# KiCad board Europe-ergo.kicad_pcb
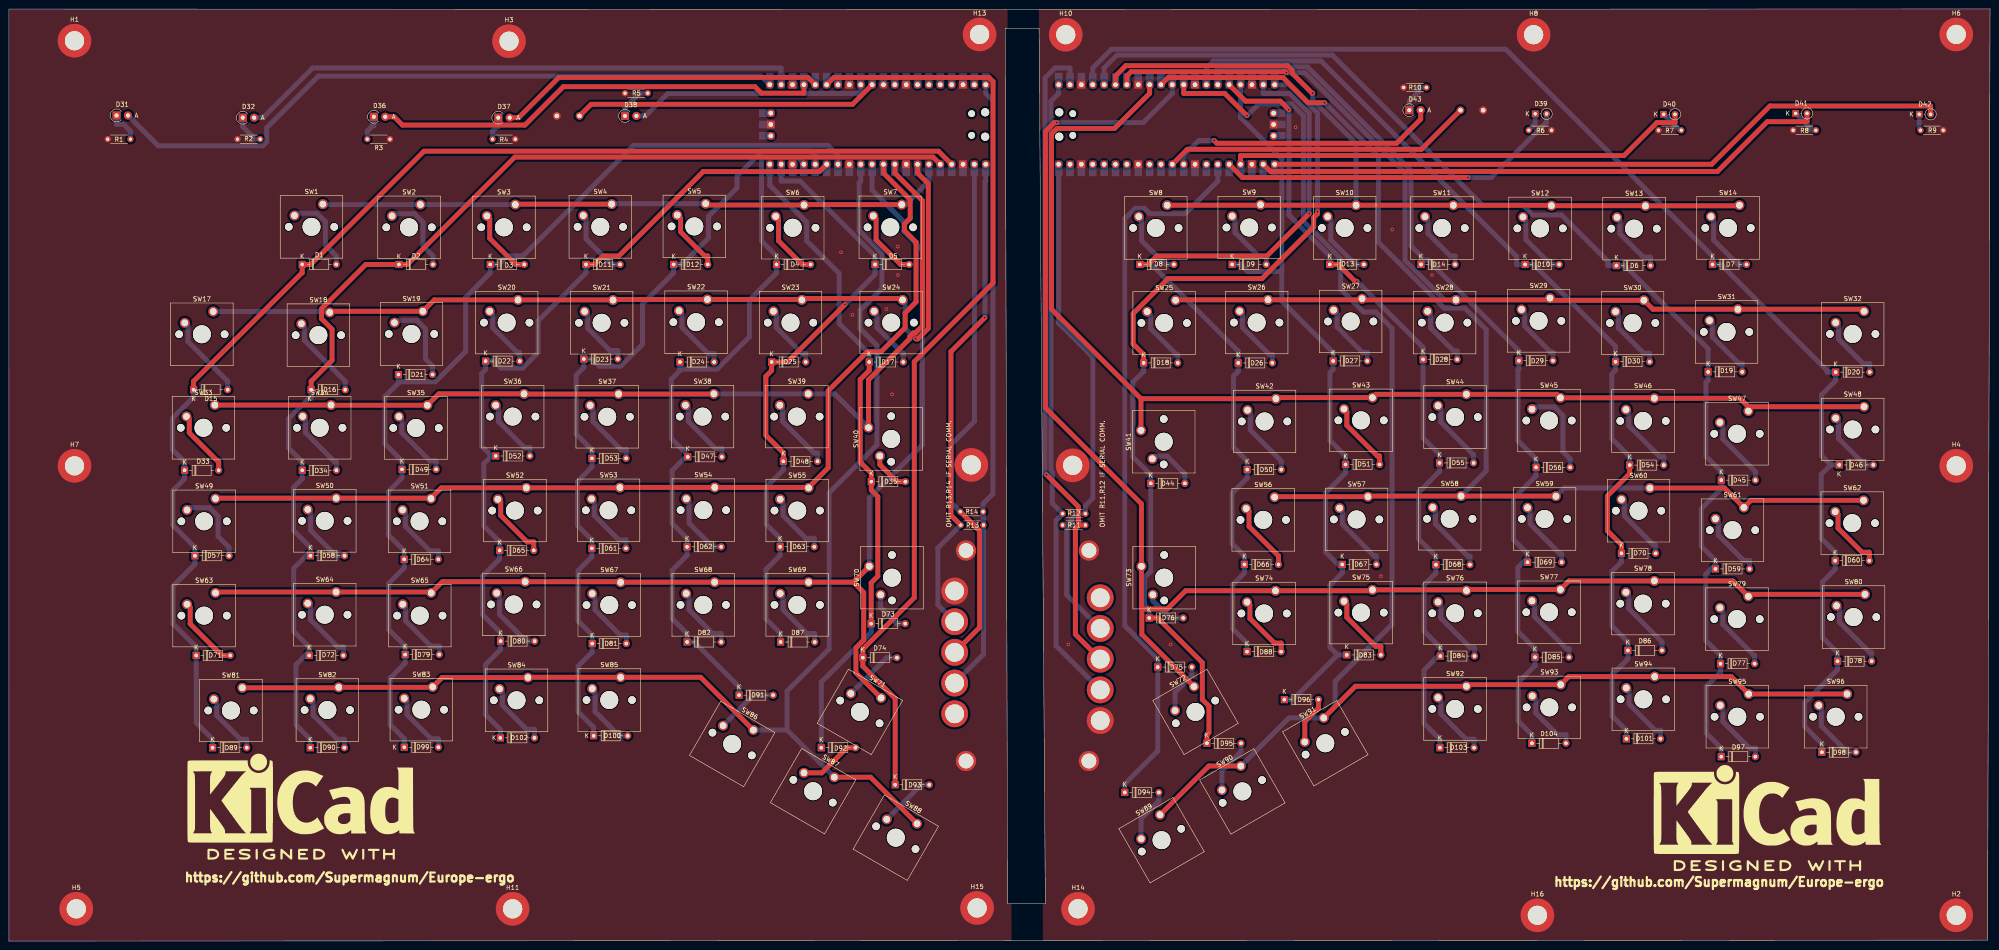
[diagram p0: board, top side]
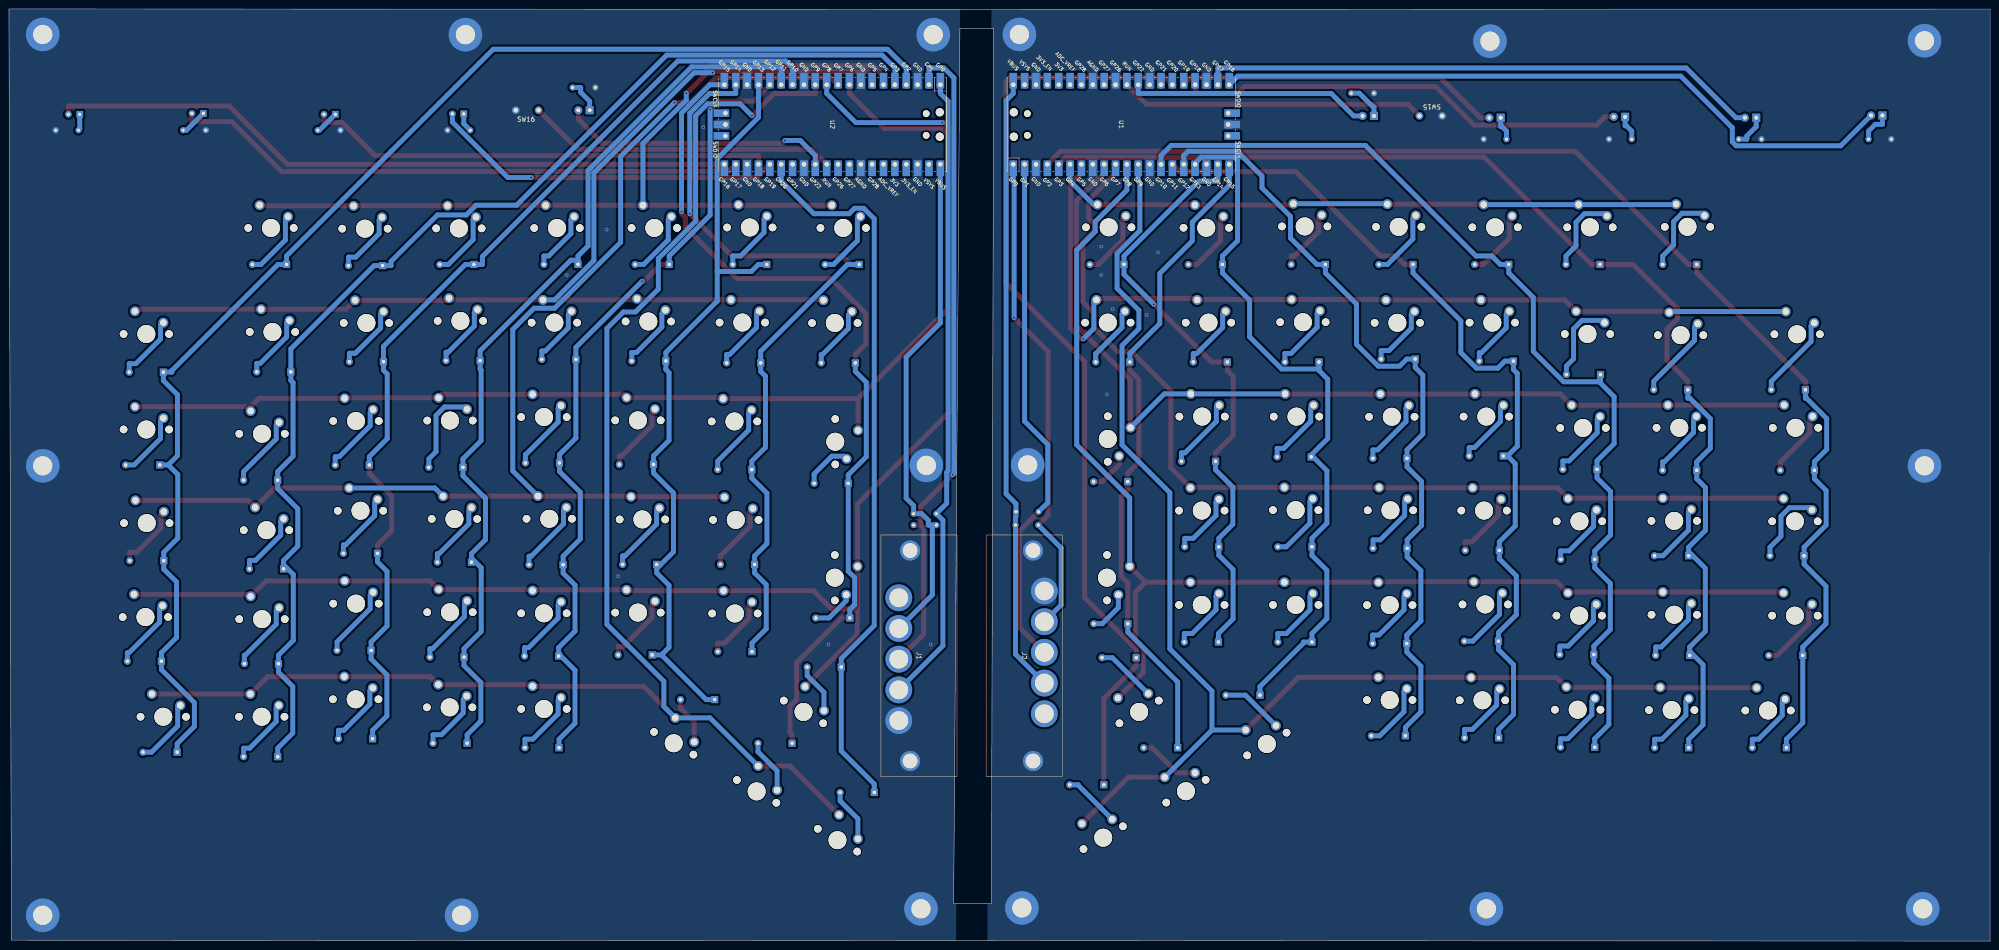
[diagram p1: board, bottom side, seen from below]

Outline 442.7 x 208.3 mm; copper layers: Top, Bottom. Coordinates in mm from the lower left corner of the outline.
Outline path: 0,208.28 222.65,208.2 442.7,208.3 442.15,0.2 224.05,0.1 0,0 0,208.28 ; 222.65,203.95 223.15,8.35 231.6,8.35 230.2,203.95 222.65,203.95
Stack: Top 0.035mm / dielectric 1.51mm FR4 er 4.5 / Bottom 0.035mm

## Placement (name value [footprint] x y rotation side)
D1  1N4148  [D_DO-35_SOD27_P7.62mm_Horizontal]  65.53 151.2 0 top
D2  1N4148  [D_DO-35_SOD27_P7.62mm_Horizontal]  87.15 151.2 0 top
D3  1N4148  [D_DO-35_SOD27_P7.62mm_Horizontal]  107.55 151.2 0 top
D4  1N4148  [D_DO-35_SOD27_P7.62mm_Horizontal]  171.53 151.2 0 top
D5  1N4148  [D_DO-35_SOD27_P7.62mm_Horizontal]  193.53 151.2 0 top
D6  1N4148  [D_DO-35_SOD27_P7.62mm_Horizontal]  359.2 150.94 0 top
D7  1N4148  [D_DO-35_SOD27_P7.62mm_Horizontal]  380.67 151.2 0 top
D8  1N4148  [D_DO-35_SOD27_P7.62mm_Horizontal]  252.7 151.2 0 top
D9  1N4148  [D_DO-35_SOD27_P7.62mm_Horizontal]  273.34 151.2 0 top
D10  1N4148  [D_DO-35_SOD27_P7.62mm_Horizontal]  338.8 151.2 0 top
D11  1N4148  [D_DO-35_SOD27_P7.62mm_Horizontal]  128.95 151.2 0 top
D12  1N4148  [D_DO-35_SOD27_P7.62mm_Horizontal]  148.53 151.2 0 top
D13  1N4148  [D_DO-35_SOD27_P7.62mm_Horizontal]  295.15 151.2 0 top
D14  1N4148  [D_DO-35_SOD27_P7.62mm_Horizontal]  315.54 151.2 0 top
D15  1N4148  [D_DO-35_SOD27_P7.62mm_Horizontal]  41.26 123.2 0 top
D16  1N4148  [D_DO-35_SOD27_P7.62mm_Horizontal]  67.53 123.2 0 top
D17  1N4148  [D_DO-35_SOD27_P7.62mm_Horizontal]  192.23 129.4 0 top
D18  1N4148  [D_DO-35_SOD27_P7.62mm_Horizontal]  253.56 129.2 0 top
D19  1N4148  [D_DO-35_SOD27_P7.62mm_Horizontal]  379.71 127.2 0 top
D20  1N4148  [D_DO-35_SOD27_P7.62mm_Horizontal]  408.19 127.14 0 top
D21  1N4148  [D_DO-35_SOD27_P7.62mm_Horizontal]  87.05 126.6 0 top
D22  1N4148  [D_DO-35_SOD27_P7.62mm_Horizontal]  106.51 129.6 0 top
D23  1N4148  [D_DO-35_SOD27_P7.62mm_Horizontal]  128.45 130.06 0 top
D24  1N4148  [D_DO-35_SOD27_P7.62mm_Horizontal]  149.95 129.4 0 top
D25  1N4148  [D_DO-35_SOD27_P7.62mm_Horizontal]  170.43 129.4 0 top
D26  1N4148  [D_DO-35_SOD27_P7.62mm_Horizontal]  274.71 129.2 0 top
D27  1N4148  [D_DO-35_SOD27_P7.62mm_Horizontal]  295.91 129.64 0 top
D28  1N4148  [D_DO-35_SOD27_P7.62mm_Horizontal]  316.01 129.98 0 top
D29  1N4148  [D_DO-35_SOD27_P7.62mm_Horizontal]  337.41 129.7 0 top
D30  1N4148  [D_DO-35_SOD27_P7.62mm_Horizontal]  359.01 129.46 0 top
D31  LTL-4233  [D_A-405_P2.54mm_Vertical_AnodeUp]  24.05 184.5 0 top
D32  LTL-4233  [D_A-405_P2.54mm_Vertical_AnodeUp]  52.25 184 0 top
D33  1N4148  [D_DO-35_SOD27_P7.62mm_Horizontal]  39.25 105.2 0 top
D34  1N4148  [D_DO-35_SOD27_P7.62mm_Horizontal]  65.55 105.2 0 top
D35  1N4148  [D_DO-35_SOD27_P7.62mm_Horizontal]  192.71 102.66 0 top
D36  LTL-4233  [D_A-405_P2.54mm_Vertical_AnodeUp]  81.55 184.2 0 top
D37  LTL-4233  [D_A-405_P2.54mm_Vertical_AnodeUp]  109.35 184 0 top
D38  LTL-4233  [D_A-405_P2.54mm_Vertical_AnodeUp]  137.67 184.4 0 top
D39  LTL-4233  [D_DO-34_SOD68_P2.54mm_Vertical_KathodeUp]  341.06 184.86 0 top
D40  LTL-4233  [D_DO-34_SOD68_P2.54mm_Vertical_KathodeUp]  369.76 184.76 0 top
D41  LTL-4233  [D_DO-34_SOD68_P2.54mm_Vertical_KathodeUp]  399.26 184.96 0 top
D42  LTL-4233  [D_DO-34_SOD68_P2.54mm_Vertical_KathodeUp]  426.88 184.76 0 top
D43  LTL-4233  [D_A-405_P2.54mm_Vertical_AnodeUp]  312.93 185.67 0 top
D44  1N4148  [D_DO-35_SOD27_P7.62mm_Horizontal]  255.15 102.28 0 top
D45  1N4148  [D_DO-35_SOD27_P7.62mm_Horizontal]  382.65 103 0 top
D46  1N4148  [D_DO-35_SOD27_P7.62mm_Horizontal]  409 106.4 0 top
D47  1N4148  [D_DO-35_SOD27_P7.62mm_Horizontal]  151.69 108.2 0 top
D48  1N4148  [D_DO-35_SOD27_P7.62mm_Horizontal]  173.07 107.2 0 top
D49  1N4148  [D_DO-35_SOD27_P7.62mm_Horizontal]  87.84 105.4 0 top
D50  1N4148  [D_DO-35_SOD27_P7.62mm_Horizontal]  276.7 105.36 0 top
D51  1N4148  [D_DO-35_SOD27_P7.62mm_Horizontal]  298.67 106.5 0 top
D52  1N4148  [D_DO-35_SOD27_P7.62mm_Horizontal]  108.78 108.4 0 top
D53  1N4148  [D_DO-35_SOD27_P7.62mm_Horizontal]  130.29 107.86 0 top
D54  1N4148  [D_DO-35_SOD27_P7.62mm_Horizontal]  362.17 106.36 0 top
D55  1N4148  [D_DO-35_SOD27_P7.62mm_Horizontal]  319.67 106.84 0 top
D56  1N4148  [D_DO-35_SOD27_P7.62mm_Horizontal]  341.25 105.86 0 top
D57  1N4148  [D_DO-35_SOD27_P7.62mm_Horizontal]  41.56 86.1 0 top
D58  1N4148  [D_DO-35_SOD27_P7.62mm_Horizontal]  67.37 86.1 0 top
D59  1N4148  [D_DO-35_SOD27_P7.62mm_Horizontal]  381.34 83.16 0 top
D60  1N4148  [D_DO-35_SOD27_P7.62mm_Horizontal]  408.09 85 0 top
D61  1N4148  [D_DO-35_SOD27_P7.62mm_Horizontal]  130.26 87.76 0 top
D62  1N4148  [D_DO-35_SOD27_P7.62mm_Horizontal]  151.54 88.1 0 top
D63  1N4148  [D_DO-35_SOD27_P7.62mm_Horizontal]  172.34 88.1 0 top
D64  1N4148  [D_DO-35_SOD27_P7.62mm_Horizontal]  88.33 85.3 0 top
D65  1N4148  [D_DO-35_SOD27_P7.62mm_Horizontal]  109.66 87.3 0 top
D66  1N4148  [D_DO-35_SOD27_P7.62mm_Horizontal]  276.08 84.16 0 top
D67  1N4148  [D_DO-35_SOD27_P7.62mm_Horizontal]  297.95 84.16 0 top
D68  1N4148  [D_DO-35_SOD27_P7.62mm_Horizontal]  318.86 84.1 0 top
D69  1N4148  [D_DO-35_SOD27_P7.62mm_Horizontal]  339.35 84.66 0 top
D70  1N4148  [D_DO-35_SOD27_P7.62mm_Horizontal]  360.34 86.64 0 top
D71  1N4148  [D_DO-35_SOD27_P7.62mm_Horizontal]  41.85 63.82 0 top
D72  1N4148  [D_DO-35_SOD27_P7.62mm_Horizontal]  67.11 63.82 0 top
D73  1N4148  [D_DO-35_SOD27_P7.62mm_Horizontal]  192.67 70.92 0 top
D74  1N4148  [D_DO-35_SOD27_P7.62mm_Horizontal]  190.81 63.32 0 top
D75  1N4148  [D_DO-35_SOD27_P7.62mm_Horizontal]  256.71 61.23 0 top
D76  1N4148  [D_DO-35_SOD27_P7.62mm_Horizontal]  254.79 72.2 0 top
D77  1N4148  [D_DO-35_SOD27_P7.62mm_Horizontal]  382.47 61.98 0 top
D78  1N4148  [D_DO-35_SOD27_P7.62mm_Horizontal]  408.62 62.54 0 top
D79  1N4148  [D_DO-35_SOD27_P7.62mm_Horizontal]  88.54 64.02 0 top
D80  1N4148  [D_DO-35_SOD27_P7.62mm_Horizontal]  109.85 67.02 0 top
D81  1N4148  [D_DO-35_SOD27_P7.62mm_Horizontal]  130.34 66.48 0 top
D82  1N4148  [D_DO-35_SOD27_P7.62mm_Horizontal]  151.53 66.82 0 top
D83  1N4148  [D_DO-35_SOD27_P7.62mm_Horizontal]  298.95 63.94 0 top
D84  1N4148  [D_DO-35_SOD27_P7.62mm_Horizontal]  319.87 63.68 0 top
D85  1N4148  [D_DO-35_SOD27_P7.62mm_Horizontal]  341.01 63.44 0 top
D86  1N4148  [D_DO-35_SOD27_P7.62mm_Horizontal]  361.77 64.94 0 top
D87  1N4148  [D_DO-35_SOD27_P7.62mm_Horizontal]  172.43 66.82 0 top
D88  1N4148  [D_DO-35_SOD27_P7.62mm_Horizontal]  276.67 64.68 0 top
D89  1N4148  [D_DO-35_SOD27_P7.62mm_Horizontal]  45.51 43.2 0 top
D90  1N4148  [D_DO-35_SOD27_P7.62mm_Horizontal]  67.34 43.2 0 top
D91  1N4148  [D_DO-35_SOD27_P7.62mm_Horizontal]  163.15 54.95 0 top
D92  1N4148  [D_DO-35_SOD27_P7.62mm_Horizontal]  181.53 43.2 0 top
D93  1N4148  [D_DO-35_SOD27_P7.62mm_Horizontal]  198.04 34.92 0 top
D94  1N4148  [D_DO-35_SOD27_P7.62mm_Horizontal]  249.34 33.2 0 top
D95  1N4148  [D_DO-35_SOD27_P7.62mm_Horizontal]  267.7 44.2 0 top
D96  1N4148  [D_DO-35_SOD27_P7.62mm_Horizontal]  285.01 53.96 0 top
D97  1N4148  [D_DO-35_SOD27_P7.62mm_Horizontal]  382.64 41.2 0 top
D98  1N4148  [D_DO-35_SOD27_P7.62mm_Horizontal]  405.12 42.2 0 top
D99  1N4148  [D_DO-35_SOD27_P7.62mm_Horizontal]  88.35 43.3 0 top
D100  1N4148  [D_DO-35_SOD27_P7.62mm_Horizontal]  130.65 45.86 0 top
D101  1N4148  [D_DO-35_SOD27_P7.62mm_Horizontal]  361.44 45.2 0 top
D102  1N4148  [D_DO-35_SOD27_P7.62mm_Horizontal]  109.81 45.4 0 top
D103  1N4148  [D_DO-35_SOD27_P7.62mm_Horizontal]  319.77 43.2 0 top
D104  1N4148  [D_DO-35_SOD27_P7.62mm_Horizontal]  340.32 44.2 0 top
H1  MountingHole_Pad  [MountingHole_4.3mm_M4_DIN965_Pad]  14.65 201.2 0 top
H2  MountingHole_Pad  [MountingHole_4.3mm_M4_DIN965_Pad]  435.15 5.75 0 top
H3  MountingHole_Pad  [MountingHole_4.3mm_M4_DIN965_Pad]  111.75 201.1 0 top
H4  MountingHole_Pad  [MountingHole_4.3mm_M4_DIN965_Pad]  435.15 106.2 0 top
H5  MountingHole_Pad  [MountingHole_4.3mm_M4_DIN965_Pad]  15.05 7.2 0 top
H6  MountingHole_Pad  [MountingHole_4.3mm_M4_DIN965_Pad]  435.15 202.6 0 top
H7  MountingHole_Pad  [MountingHole_4.3mm_M4_DIN965_Pad]  14.65 106.2 0 top
H8  MountingHole_Pad  [MountingHole_4.3mm_M4_DIN965_Pad]  340.7 202.55 0 top
H9  MountingHole_Pad  [MountingHole_4.3mm_M4_DIN965_Pad]  215.05 106.4 0 top
H10  MountingHole_Pad  [MountingHole_4.3mm_M4_DIN965_Pad]  236.15 202.55 0 top
H11  MountingHole_Pad  [MountingHole_4.3mm_M4_DIN965_Pad]  112.55 7.2 0 top
H12  MountingHole_Pad  [MountingHole_4.3mm_M4_DIN965_Pad]  237.7 106.3 0 top
H13  MountingHole_Pad  [MountingHole_4.3mm_M4_DIN965_Pad]  216.9 202.6 0 top
H14  MountingHole_Pad  [MountingHole_4.3mm_M4_DIN965_Pad]  238.9 7.2 0 top
H15  MountingHole_Pad  [MountingHole_4.3mm_M4_DIN965_Pad]  216.35 7.4 0 top
H16  MountingHole_Pad  [MountingHole_4.3mm_M4_DIN965_Pad]  341.55 5.75 0 top
J1  Conn_01x07_Socket  [DSUB-5_male_edgemount_P8.38mm]  243.86 63.75 90 bottom
J2  Conn_01x07_Socket  [DSUB-5_male_edgemount_P8.38mm]  211.33 63.75 270 bottom
R1  330  [R_Axial_DIN0204_L3.6mm_D1.6mm_P5.08mm_Horizontal]  22.07 179.2 0 top
R2  330  [R_Axial_DIN0204_L3.6mm_D1.6mm_P5.08mm_Horizontal]  51.07 179.2 0 top
R3  330  [R_Axial_DIN0204_L3.6mm_D1.6mm_P5.08mm_Horizontal]  85.15 179.2 180 top
R4  330  [R_Axial_DIN0204_L3.6mm_D1.6mm_P5.08mm_Horizontal]  113.15 179.2 180 top
R5  330  [R_Axial_DIN0204_L3.6mm_D1.6mm_P5.08mm_Horizontal]  137.67 189.48 0 top
R6  330  [R_Axial_DIN0204_L3.6mm_D1.6mm_P5.08mm_Horizontal]  339.62 181.2 0 top
R7  330  [R_Axial_DIN0204_L3.6mm_D1.6mm_P5.08mm_Horizontal]  373.7 181.2 180 top
R8  330  [R_Axial_DIN0204_L3.6mm_D1.6mm_P5.08mm_Horizontal]  403.78 181.2 180 top
R9  330  [R_Axial_DIN0204_L3.6mm_D1.6mm_P5.08mm_Horizontal]  427.16 181.2 0 top
R10  330  [R_Axial_DIN0204_L3.6mm_D1.6mm_P5.08mm_Horizontal]  311.66 190.75 0 top
R11  4.7K  [R_Axial_DIN0204_L3.6mm_D1.6mm_P5.08mm_Horizontal]  240.54 92.96 180 top
R12  4.7K  [R_Axial_DIN0204_L3.6mm_D1.6mm_P5.08mm_Horizontal]  235.46 95.5 0 top
R13  4.7K  [R_Axial_DIN0204_L3.6mm_D1.6mm_P5.08mm_Horizontal]  212.69 92.96 0 top
R14  4.7K  [R_Axial_DIN0204_L3.6mm_D1.6mm_P5.08mm_Horizontal]  212.6 95.94 0 top
REF**  -  [KiCad-Logo2_20mm_SilkScreen]  392.94 29.46 0 top
REF**#2  -  [KiCad-Logo2_20mm_SilkScreen]  65.28 32 0 top
SW1  MX1A-G1NN  [SW_Cherry_MX_1.00u_PCB]  70.15 164.68 0 top
SW2  MX1A-G1NN  [SW_Cherry_MX_1.00u_PCB]  91.95 164.58 0 top
SW3  MX1A-G1NN  [SW_Cherry_MX_1.00u_PCB]  113.15 164.58 0 top
SW4  MX1A-G1NN  [SW_Cherry_MX_1.00u_PCB]  134.69 164.68 0 top
SW5  MX1A-G1NN  [SW_Cherry_MX_1.00u_PCB]  155.69 164.78 0 top
SW6  MX1A-G1NN  [SW_Cherry_MX_1.00u_PCB]  177.69 164.48 0 top
SW7  MX1A-G1NN  [SW_Cherry_MX_1.00u_PCB]  199.49 164.58 0 top
SW8  MX1A-G1NN  [SW_Cherry_MX_1.00u_PCB]  258.82 164.44 0 top
SW9  MX1A-G1NN  [SW_Cherry_MX_1.00u_PCB]  279.69 164.54 0 top
SW10  MX1A-G1NN  [SW_Cherry_MX_1.00u_PCB]  301.03 164.44 0 top
SW11  MX1A-G1NN  [SW_Cherry_MX_1.00u_PCB]  322.77 164.42 0 top
SW12  MX1A-G1NN  [SW_Cherry_MX_1.00u_PCB]  344.69 164.34 0 top
SW13  MX1A-G1NN  [SW_Cherry_MX_1.00u_PCB]  365.69 164.28 0 top
SW14  MX1A-G1NN  [SW_Cherry_MX_1.00u_PCB]  386.69 164.44 0 top
SW15  800SP9B6M2RE  [switch_P5.08mm]  127.51 184.4 180 bottom
SW16  800SP9B6M2RE  [switch_P5.08mm]  324.36 185.67 0 bottom
SW17  MX1A-G1NN  [SW_Cherry_MX_1.50u_PCB]  45.65 140.68 0 top
SW18  MX1A-G1NN  [SW_Cherry_MX_1.00u_PCB]  71.69 140.48 0 top
SW19  MX1A-G1NN  [SW_Cherry_MX_1.00u_PCB]  92.5 140.74 0 top
SW20  MX1A-G1NN  [SW_Cherry_MX_1.00u_PCB]  113.77 143.28 0 top
SW21  MX1A-G1NN  [SW_Cherry_MX_1.00u_PCB]  134.99 143.24 0 top
SW22  MX1A-G1NN  [SW_Cherry_MX_1.00u_PCB]  156.09 143.38 0 top
SW23  MX1A-G1NN  [SW_Cherry_MX_1.00u_PCB]  177.19 143.28 0 top
SW24  MX1A-G1NN  [SW_Cherry_MX_1.00u_PCB]  199.69 143.28 0 top
SW25  MX1A-G1NN  [SW_Cherry_MX_1.00u_PCB]  260.69 143.2 0 top
SW26  MX1A-G1NN  [SW_Cherry_MX_1.00u_PCB]  281.36 143.3 0 top
SW27  MX1A-G1NN  [SW_Cherry_MX_1.00u_PCB]  302.36 143.54 0 top
SW28  MX1A-G1NN  [SW_Cherry_MX_1.00u_PCB]  323.36 143.28 0 top
SW29  MX1A-G1NN  [SW_Cherry_MX_1.00u_PCB]  344.36 143.67 0 top
SW30  MX1A-G1NN  [SW_Cherry_MX_1.00u_PCB]  365.36 143.2 0 top
SW31  MX1A-G1NN  [SW_Cherry_MX_1.00u_PCB]  386.36 141.2 0 top
SW32  MX1A-G1NN  [SW_Cherry_MX_1.50u_PCB]  414.54 140.74 0 top
SW33  MX1A-G1NN  [SW_Cherry_MX_1.50u_PCB]  46.01 119.78 0 top
SW34  MX1A-G1NN  [SW_Cherry_MX_1.00u_PCB]  71.99 119.78 0 top
SW35  MX1A-G1NN  [SW_Cherry_MX_1.00u_PCB]  93.5 119.74 0 top
SW36  MX1A-G1NN  [SW_Cherry_MX_1.00u_PCB]  115.11 122.28 0 top
SW37  MX1A-G1NN  [SW_Cherry_MX_1.00u_PCB]  136.23 122.24 0 top
SW38  MX1A-G1NN  [SW_Cherry_MX_1.00u_PCB]  157.53 122.28 0 top
SW39  MX1A-G1NN  [SW_Cherry_MX_1.00u_PCB]  178.61 122.28 0 top
SW40  MX1A-G1NN  [SW_Cherry_MX_1.50u_PCB]  192.07 114.74 90 top
SW41  MX1A-G1NN  [SW_Cherry_MX_1.50u_PCB]  252.97 114.12 90 top
SW42  MX1A-G1NN  [SW_Cherry_MX_1.00u_PCB]  283.12 121.2 0 top
SW43  MX1A-G1NN  [SW_Cherry_MX_1.00u_PCB]  304.69 121.44 0 top
SW44  MX1A-G1NN  [SW_Cherry_MX_1.00u_PCB]  325.69 122.18 0 top
SW45  MX1A-G1NN  [SW_Cherry_MX_1.00u_PCB]  346.69 121.4 0 top
SW46  MX1A-G1NN  [SW_Cherry_MX_1.00u_PCB]  367.69 121.3 0 top
SW47  MX1A-G1NN  [SW_Cherry_MX_1.00u_PCB]  388.69 118.44 0 top
SW48  MX1A-G1NN  [SW_Cherry_MX_1.50u_PCB]  414.54 119.4 0 top
SW49  MX1A-G1NN  [SW_Cherry_MX_1.50u_PCB]  46.15 98.88 0 top
SW50  MX1A-G1NN  [SW_Cherry_MX_1.00u_PCB]  73.12 98.98 0 top
SW51  MX1A-G1NN  [SW_Cherry_MX_1.00u_PCB]  94.3 98.88 0 top
SW52  MX1A-G1NN  [SW_Cherry_MX_1.00u_PCB]  115.61 101.28 0 top
SW53  MX1A-G1NN  [SW_Cherry_MX_1.00u_PCB]  136.53 101.34 0 top
SW54  MX1A-G1NN  [SW_Cherry_MX_1.00u_PCB]  157.71 101.38 0 top
SW55  MX1A-G1NN  [SW_Cherry_MX_1.00u_PCB]  178.69 101.28 0 top
SW56  MX1A-G1NN  [SW_Cherry_MX_1.00u_PCB]  282.82 99.2 0 top
SW57  MX1A-G1NN  [SW_Cherry_MX_1.00u_PCB]  303.69 99.3 0 top
SW58  MX1A-G1NN  [SW_Cherry_MX_1.00u_PCB]  324.5 99.44 0 top
SW59  MX1A-G1NN  [SW_Cherry_MX_1.00u_PCB]  345.69 99.4 0 top
SW60  MX1A-G1NN  [SW_Cherry_MX_1.00u_PCB]  366.69 101.24 0 top
SW61  MX1A-G1NN  [SW_Cherry_MX_1.00u_PCB]  387.69 96.9 0 top
SW62  MX1A-G1NN  [SW_Cherry_MX_1.50u_PCB]  414.44 98.48 0 top
SW63  MX1A-G1NN  [SW_Cherry_MX_1.50u_PCB]  46.15 77.8 0 top
SW64  MX1A-G1NN  [SW_Cherry_MX_1.00u_PCB]  73.11 78 0 top
SW65  MX1A-G1NN  [SW_Cherry_MX_1.00u_PCB]  94.35 77.8 0 top
SW66  MX1A-G1NN  [SW_Cherry_MX_1.00u_PCB]  115.35 80.3 0 top
SW67  MX1A-G1NN  [SW_Cherry_MX_1.00u_PCB]  136.69 80.16 0 top
SW68  MX1A-G1NN  [SW_Cherry_MX_1.00u_PCB]  157.69 80.2 0 top
SW69  MX1A-G1NN  [SW_Cherry_MX_1.00u_PCB]  178.69 80.2 0 top
SW70  MX1A-G1NN  [SW_Cherry_MX_1.50u_PCB]  192.25 83.74 90 top
SW71  MX1A-G1NN  [SW_Cherry_MX_1.00u_PCB]  194.89 54.33 330 top
SW72  MX1A-G1NN  [SW_Cherry_MX_1.00u_PCB]  264.81 56.87 30 top
SW73  MX1A-G1NN  [SW_Cherry_MX_1.50u_PCB]  253.07 83.74 90 top
SW74  MX1A-G1NN  [SW_Cherry_MX_1.00u_PCB]  283.02 78.28 0 top
SW75  MX1A-G1NN  [SW_Cherry_MX_1.00u_PCB]  304.69 78.48 0 top
SW76  MX1A-G1NN  [SW_Cherry_MX_1.00u_PCB]  325.69 78.32 0 top
SW77  MX1A-G1NN  [SW_Cherry_MX_1.00u_PCB]  346.69 78.56 0 top
SW78  MX1A-G1NN  [SW_Cherry_MX_1.00u_PCB]  367.69 80.48 0 top
SW79  MX1A-G1NN  [SW_Cherry_MX_1.00u_PCB]  388.69 77.02 0 top
SW80  MX1A-G1NN  [SW_Cherry_MX_1.50u_PCB]  414.74 77.48 0 top
SW81  MX1A-G1NN  [SW_Cherry_MX_1.00u_PCB]  52.15 56.6 0 top
SW82  MX1A-G1NN  [SW_Cherry_MX_1.00u_PCB]  73.69 56.7 0 top
SW83  MX1A-G1NN  [SW_Cherry_MX_1.00u_PCB]  94.69 56.78 0 top
SW84  MX1A-G1NN  [SW_Cherry_MX_1.00u_PCB]  115.97 58.88 0 top
SW85  MX1A-G1NN  [SW_Cherry_MX_1.00u_PCB]  136.69 58.94 0 top
SW86  MX1A-G1NN  [SW_Cherry_MX_1.00u_PCB]  166.35 47.16 330 top
SW87  MX1A-G1NN  [SW_Cherry_MX_1.00u_PCB]  184.43 36.61 330 top
SW88  MX1A-G1NN  [SW_Cherry_MX_1.00u_PCB]  202.92 26.23 330 top
SW89  MX1A-G1NN  [SW_Cherry_MX_1.00u_PCB]  257.22 28.21 30 top
SW90  MX1A-G1NN  [SW_Cherry_MX_1.00u_PCB]  275.28 39.11 30 top
SW91  MX1A-G1NN  [SW_Cherry_MX_1.00u_PCB]  293.81 49.87 30 top
SW92  MX1A-G1NN  [SW_Cherry_MX_1.00u_PCB]  325.69 56.94 0 top
SW93  MX1A-G1NN  [SW_Cherry_MX_1.00u_PCB]  346.76 57.3 0 top
SW94  MX1A-G1NN  [SW_Cherry_MX_1.00u_PCB]  367.76 59.1 0 top
SW95  MX1A-G1NN  [SW_Cherry_MX_1.00u_PCB]  388.76 55.2 0 top
SW96  MX1A-G1NN  [SW_Cherry_MX_1.00u_PCB]  410.76 55.2 0 top
U1  SC0915  [RPi_Pico_SMD_TH]  194.15 182.48 90 bottom
U2  SC0915  [RPi_Pico_SMD_TH]  258.7 182.48 270 bottom

## Library data of the parts
D1-D30 D33-D35 D44-D104 = -: Description: 100V 0.15A standard switching diode, DO-35
D31 D32 D36-D43 = -: Description: Light emitting diode
H1-H16 = -: Description: Mounting Hole with connection
J1 J2 = -: Description: Generic connector, single row, 01x07, script generated
R1-R14 = -: Description: Resistor
SW15 SW16 = -: Description: Push button switch, generic, two pins
SW71 SW72 = -: Field4: arrow-up
SW86 SW91 = -: Field4: arrow-left
SW87 SW90 = -: Field4: arrow-down
SW88 SW89 = -: Field4: arrow-right

## Footprints (pads in the part's own frame, mm; a bottom-side part is the same pattern mirrored in y, then rotated)
D_A-405_P2.54mm_Vertical_AnodeUp
  rect 1.8x1.8 hole 0.9: 1(0,0)
  oval 1.8x1.8 hole 0.9: 2(2.54,0)
D_DO-34_SOD68_P2.54mm_Vertical_KathodeUp
  rect 1.5x1.5 hole 0.75: 1(0,0)
  oval 1.5x1.5 hole 0.75: 2(2.54,0)
D_DO-35_SOD27_P7.62mm_Horizontal
  rect 1.6x1.6 hole 0.8: 1(0,0)
  oval 1.6x1.6 hole 0.8: 2(7.62,0)
DSUB-5_male_edgemount_P8.38mm
  round 6 hole 4.2: 1(-14.48,0) 2(-7.62,0) 3(-0.76,0) 4(6.1,0) 5(12.96,0)
  round 4.5 hole 3.3: 6(-23.52,-2.53) 7(23.52,-2.53)
MountingHole_4.3mm_M4_DIN965_Pad
  round 7.5 hole 4.3: 1(0,0)
R_Axial_DIN0204_L3.6mm_D1.6mm_P5.08mm_Horizontal
  round 1.4 hole 0.7: 1(0,0)
  oval 1.4x1.4 hole 0.7: 2(5.08,0)
RPi_Pico_SMD_TH
  oval 1.8x1.8 hole 1.8 unplated: (-2.725,24) (2.725,24)
  oval 1.5x1.5 hole 1.5 unplated: (-2.425,20.97) (2.425,20.97)
  oval 1.7x1.7 hole 1.02: 1(-8.89,24.13) 2(-8.89,21.59) 4(-8.89,16.51) 5(-8.89,13.97) 6(-8.89,11.43) 7(-8.89,8.89) 9(-8.89,3.81) 10(-8.89,1.27) 11(-8.89,-1.27) 12(-8.89,-3.81) 14(-8.89,-8.89) 15(-8.89,-11.43) 16(-8.89,-13.97) 17(-8.89,-16.51) 19(-8.89,-21.59) 20(-8.89,-24.13) 21(8.89,-24.13) 22(8.89,-21.59) 24(8.89,-16.51) 25(8.89,-13.97) 26(8.89,-11.43) 27(8.89,-8.89) 29(8.89,-3.81) 30(8.89,-1.27) 31(8.89,1.27) 32(8.89,3.81) 34(8.89,8.89) 35(8.89,11.43) 36(8.89,13.97) 37(8.89,16.51) 39(8.89,21.59) 40(8.89,24.13) 41(-2.54,-23.9) 43(2.54,-23.9)
  rect 3.5x1.7 smd: 1(-8.89,24.13) 2(-8.89,21.59) 3(-8.89,19.05) 4(-8.89,16.51) 5(-8.89,13.97) 6(-8.89,11.43) 7(-8.89,8.89) 8(-8.89,6.35) 9(-8.89,3.81) 10(-8.89,1.27) 11(-8.89,-1.27) 12(-8.89,-3.81) 13(-8.89,-6.35) 14(-8.89,-8.89) 15(-8.89,-11.43) 16(-8.89,-13.97) 17(-8.89,-16.51) 18(-8.89,-19.05) 19(-8.89,-21.59) 20(-8.89,-24.13) 21(8.89,-24.13) 22(8.89,-21.59) 23(8.89,-19.05) 24(8.89,-16.51) 25(8.89,-13.97) 26(8.89,-11.43) 27(8.89,-8.89) 28(8.89,-6.35) 29(8.89,-3.81) 30(8.89,-1.27) 31(8.89,1.27) 32(8.89,3.81) 33(8.89,6.35) 34(8.89,8.89) 35(8.89,11.43) 36(8.89,13.97) 37(8.89,16.51) 38(8.89,19.05) 39(8.89,21.59) 40(8.89,24.13)
  rect 1.7x1.7 hole 1.02: 3(-8.89,19.05) 8(-8.89,6.35) 13(-8.89,-6.35) 18(-8.89,-19.05) 23(8.89,-19.05) 28(8.89,-6.35) 33(8.89,6.35) 38(8.89,19.05) 42(0,-23.9)
  rect 1.7x3.5 smd: 41(-2.54,-23.9) 42(0,-23.9) 43(2.54,-23.9)
SW_Cherry_MX_1.00u_PCB
  round 1.7 hole 1.7 unplated: (-7.62,-5.08) (2.54,-5.08)
  round 4 hole 4 unplated: (-2.54,-5.08)
  round 2.2 hole 1.5: 1(0,0) 2(-6.35,-2.54)
SW_Cherry_MX_1.50u_PCB
  round 1.7 hole 1.7 unplated: (-7.62,-5.08) (2.54,-5.08)
  round 4 hole 4 unplated: (-2.54,-5.08)
  round 2.2 hole 1.5: 1(0,0) 2(-6.35,-2.54)
switch_P5.08mm
  round 1.7 hole 1: 1(0,0) 2(5.08,0)
